# KiCad board uf2-batch-flasher.kicad_pcb (continued)
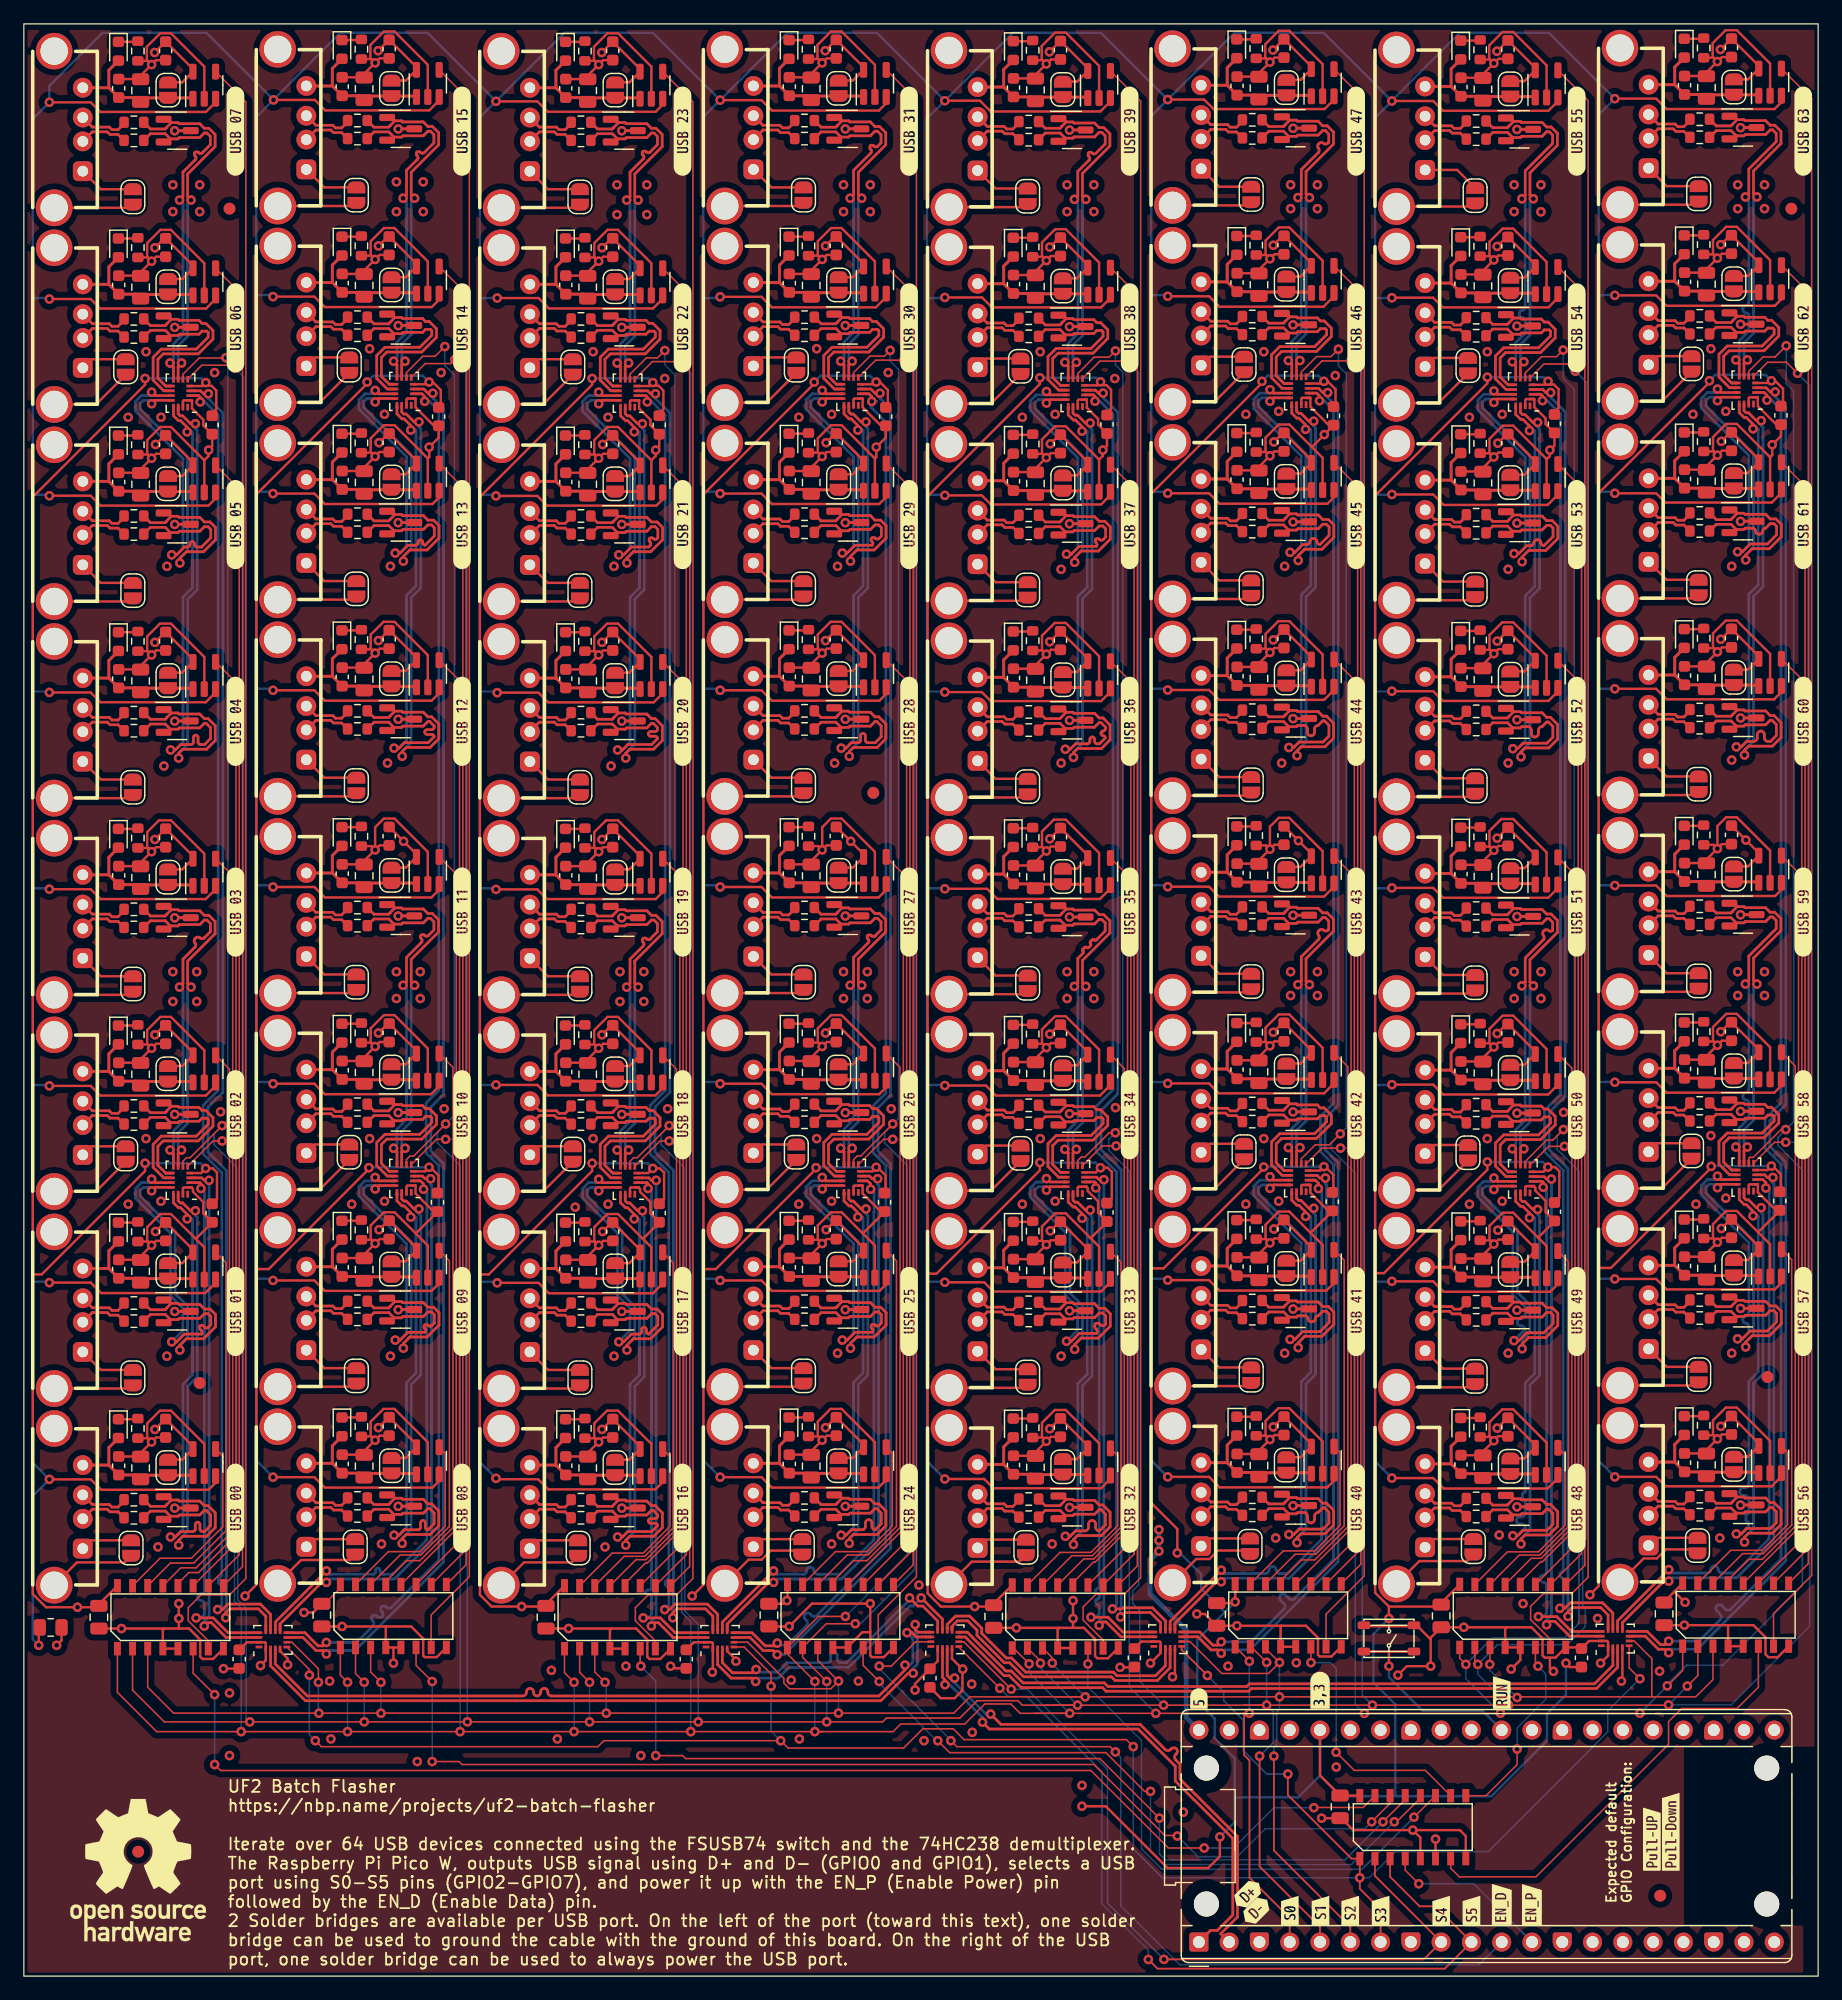
[diagram p0: board, top side]
## Routing (per net, layer and track width the routed paths; a pad name or vN(x,y) marks a point on that pad's centre or on a via; arc(x,y) is an arc through that point) (continued)
/16usb-ports1/D-: length 25.3
  Top w0.23: v1(61.42,25.72) 61.14,25.45 59.43,25.45 58.59,26.29 58.59,27.01 58.59,27.02 U2303.3 ; U102.12 76.65,29.79 75.4,31.04 74.98,31.04 74.3,31.72 v1(74.29,31.72)
  Bottom w0.23: v1(61.42,25.72) 61.64,25.5 63.22,25.5 64.02,26.29 67.4,26.29 arc(67.59,26.37) 67.67,26.57 67.67,26.91 arc(67.76,27.11) 67.95,27.19 arc(68.14,27.11) 68.22,26.91 68.22,26.57 arc(68.31,26.37) 68.5,26.29 69.01,26.29 74.29,31.57 v1(74.29,31.72)
/16usb-ports1/EN_00: length 16.4
  Top w0.125: U3601.4 54.19,43.6 54.19,37.73 51.95,35.49 49.36,35.49 U2301.15
/16usb-ports1/EN_01: length 32.1
  Top w0.125: U2301.14 50.35,35.21 52.07,35.21 54.47,37.61 54.47,59.82 U3401.4
/16usb-ports1/EN_02: length 47.8
  Top w0.125: U3901.4 54.74,76.07 54.74,37.5 52.18,34.94 51.35,34.94 U2301.13
/16usb-ports1/EN_03: length 63.6
  Top w0.125: U4101.4 55.02,92.29 55.02,37.38 52.3,34.66 52.15,34.66 50.43,32.94 U2301.12
/16usb-ports1/EN_04: length 79.7
  Top w0.125: U2301.11 55.29,36.34 55.29,108.52 U2401.4
/16usb-ports1/EN_05: length 95.9
  Top w0.125: U3801.4 55.57,124.73 55.57,35.35 U2301.10
/16usb-ports1/EN_06: length 112.1
  Top w0.125: U2301.9 55.84,34.35 55.84,140.99 U3001.4
/16usb-ports1/EN_07: length 137.4
  Top w0.125: U2301.7 52.97,28.13 51.29,29.81 51.29,30.91 52.36,31.97 54.74,31.97 56.12,33.35 56.12,157.2 U3701.4
/16usb-ports1/EN_10: length 16.4
  Top w0.125: U2302.15 68.08,35.61 70.69,35.61 72.85,37.76 72.85,43.85 U2901.4
/16usb-ports1/EN_11: length 32.1
  Top w0.125: U2302.14 69.07,35.33 70.81,35.33 73.19,37.72 73.19,60 U3301.4
/16usb-ports1/EN_12: length 48
  Top w0.125: U3201.4 73.49,76.22 73.49,37.63 70.72,34.85 69.59,34.85 67.86,33.12 U2302.13
/16usb-ports1/EN_13: length 63.5
  Top w0.125: U2302.12 73.77,37.49 73.77,92.44 U2801.4
/16usb-ports1/EN_14: length 79.7
  Top w0.125: U4301.4 74.04,108.67 74.04,36.49 U2302.11
/16usb-ports1/EN_15: length 95.9
  Top w0.125: U2302.10 74.32,35.5 74.32,124.88 U2601.4
/16usb-ports1/EN_16: length 112.2
  Top w0.125: U2501.4 74.59,141.14 74.59,34.5 U2302.9
/16usb-ports1/EN_17: length 134.7
  Top w0.125: U4201.4 74.87,157.35 74.87,33.5 71.67,30.3 U2302.7
/16usb-ports2/4usb-port0/D0+: length 43.7
  Top w0.23: 87.35,38.63 87.09,38.37 D4902.2 ; 87.35,38.63 87.99,38.63 88.1,38.74 89.81,38.74 90.19,39.12 90.35,39.12 90.72,38.76 90.72,37.85 90.22,37.35 90.2,37.35 arc(89.99,37.44) 89.9,37.65 89.9,37.92 arc(89.81,38.13) 89.6,38.22 arc(89.39,38.13) 89.3,37.92 89.3,37.65 arc(89.21,37.44) 89,37.35 88.22,37.35 87.76,36.89 v1(87.36,36.89) ; 87.35,38.63 86.92,39.06 85.67,39.06 R4903.2 ; v1(88.76,63.57) 88.76,63.96 88.2,64.51 88.02,64.51 87.6,64.93 87.6,65.47 87.6,65.48 U4801.13
  Bottom w0.23: v1(87.36,36.89) 87.76,36.89 88.4,37.53 88.4,49.7 89.2,50.5 89.2,63.53 89.16,63.57 v1(88.76,63.57)
/16usb-ports2/4usb-port0/D0-: length 43.9
  Top w0.23: 87.43,39.99 87.99,39.99 88.08,39.9 89.81,39.9 90.19,39.52 90.51,39.52 91.11,38.92 91.11,37.68 90.38,36.95 88.38,36.95 88.04,36.61 v1(88.04,36.21) ; 87.43,39.99 87.15,40.27 D4902.1 ; 87.43,39.99 87.03,39.59 87.03,39.58 86.91,39.46 85.67,39.46 R4904.2 ; U4801.14 88,65.09 88.18,64.91 88.38,64.91 89.04,64.26 v1(89.44,64.26)
  Bottom w0.23: v1(88.04,36.21) 88.04,36.61 88.8,37.37 88.8,49.53 89.6,50.33 89.6,63.7 89.44,63.85 v1(89.44,64.26)
/16usb-ports2/4usb-port0/D1+: length 30.7
  Top w0.23: R6303.2 85.67,55.56 86.92,55.56 87.35,55.13 ; D6302.2 87.09,54.87 87.35,55.13 ; v1(87.46,53.26) 87.86,53.26 88.51,53.91 89.96,53.91 arc(90.03,54.09) 89.96,54.26 89.88,54.35 arc(89.8,54.53) 89.88,54.7 arc(90.05,54.78) 90.23,54.7 90.32,54.62 arc(90.49,54.55) 90.67,54.62 90.73,54.68 90.73,55.39 90.51,55.62 90.2,55.62 89.82,55.24 88.1,55.24 87.99,55.13 87.35,55.13 ; v1(85.77,66.9) 86.06,66.61 87.43,66.61 U4801.11
  Bottom w0.23: v1(87.46,53.26) 88.39,54.19 88.39,56.09 87.35,57.13 87.35,62.38 84.41,65.32 84.41,66.11 84.92,66.61 85.49,66.61 v1(85.77,66.9)
/16usb-ports2/4usb-port0/D1-: length 31
  Top w0.23: D6302.1 87.15,56.77 87.43,56.49 ; R6304.2 85.67,55.95 86.91,55.95 87.03,56.08 87.03,56.09 87.43,56.49 ; v1(85.77,65.93) 86.06,66.22 87.43,66.22 U4801.12 ; 87.43,56.49 87.99,56.49 88.08,56.4 89.82,56.4 90.2,56.01 90.67,56.01 91.13,55.56 91.13,54.52 90.13,53.52 88.68,53.52 88.14,52.98 v1(88.14,52.57)
  Bottom w0.23: v1(88.14,52.57) 88.14,52.98 88.79,53.63 88.79,56.24 87.74,57.29 87.74,62.55 84.81,65.48 84.81,65.95 85.08,66.22 85.49,66.22 v1(85.77,65.93)
/16usb-ports2/4usb-port0/D2+: length 16.2
  Top w0.23: 87.35,71.65 87.09,71.39 D6002.2 ; 87.35,71.65 86.92,72.09 85.67,72.09 R6003.2 ; 87.35,71.65 87.99,71.65 88.1,71.76 89.74,71.76 90,72.02 90.41,72.02 90.52,71.91 90.52,71.52 89.52,70.51 86.59,70.51 85.9,69.82 85.9,67.91 86.79,67.02 87,67.02 87.01,67.01 U4801.10
/16usb-ports2/4usb-port0/D2-: length 16.5
  Top w0.23: R6004.2 85.67,72.48 86.91,72.48 87.03,72.6 87.03,72.62 87.43,73.01 ; 87.43,73.01 87.99,73.01 88.08,72.92 89.74,72.92 90,72.67 90.31,72.67 90.92,72.07 90.92,71.35 89.68,70.12 86.75,70.12 86.3,69.66 86.3,68.07 86.95,67.41 87,67.41 87.01,67.41 U4801.9 ; 87.43,73.01 87.15,73.29 D6002.1
/16usb-ports2/4usb-port0/D3+: length 29.7
  Top w0.23: U4801.8 87.6,67.99 87.6,69.06 v1(87.32,69.35) ; v1(88.12,83.01) 88.4,83.3 88.4,85.36 88.84,85.79 arc(88.87,85.88) 88.84,85.97 arc(88.8,86.06) 88.84,86.15 88.97,86.28 arc(89.06,86.32) 89.15,86.28 arc(89.24,86.25) 89.33,86.28 89.47,86.42 arc(89.5,86.51) 89.47,86.6 arc(89.43,86.69) 89.47,86.78 89.6,86.91 arc(89.69,86.95) 89.78,86.91 arc(89.87,86.88) 89.96,86.91 90.7,87.66 90.7,88.35 90.41,88.64 90.19,88.64 89.81,88.26 88.1,88.26 87.99,88.15 87.35,88.15 ; 87.35,88.15 87.09,87.89 D6102.2 ; 87.35,88.15 86.92,88.58 85.67,88.58 R6103.2
  Bottom w0.23: v1(87.32,69.35) 87.6,69.63 87.6,70.95 88.4,71.75 88.4,82.73 v1(88.12,83.01)
/16usb-ports2/4usb-port0/D3-: length 29.9
  Top w0.23: R6104.2 85.67,88.97 86.91,88.97 87.03,89.1 87.03,89.11 87.43,89.51 ; v1(89.08,83.01) 88.8,83.3 88.8,85.2 91.1,87.5 91.1,88.51 90.57,89.03 90.19,89.03 89.81,89.42 88.08,89.42 87.99,89.51 87.43,89.51 ; v1(88.28,69.35) 88,69.06 88,67.99 U4801.7 ; 87.43,89.51 87.15,89.79 D6102.1
  Bottom w0.23: v1(88.28,69.35) 88,69.63 88,70.78 88.8,71.58 88.8,82.73 v1(89.08,83.01)
/16usb-ports2/4usb-port0/D+: length 44.5
  Top w0.23: v1(89.51,30.11) 90.94,30.11 92.18,28.86 94.35,28.86 94.36,28.86 U4403.13 ; U4801.2 89.39,66.61 89.39,66.62 89.82,66.62 89.91,66.53 v1(89.91,66.12)
  Bottom w0.23: v1(89.51,30.11) 89.91,30.11 90.2,30.39 90.2,31.04 arc(90.15,31.14) 90.05,31.18 arc(89.95,31.23) 89.91,31.33 89.91,31.49 arc(89.95,31.59) 90.05,31.63 arc(90.15,31.67) 90.2,31.77 90.2,31.93 arc(90.15,32.03) 90.05,32.07 arc(89.95,32.12) 89.91,32.22 89.91,32.38 arc(89.95,32.48) 90.05,32.52 arc(90.15,32.56) 90.2,32.66 90.2,65.84 v1(89.91,66.12)
/16usb-ports2/4usb-port0/D-: length 44.5
  Top w0.23: v1(90.59,66.8) 90.19,66.8 89.98,67.01 89.39,67.01 89.39,67.01 U4801.3 ; v1(90.19,29.42) 90.48,29.71 90.77,29.71 92.02,28.47 94.35,28.47 94.36,28.46 U4403.14
  Bottom w0.23: v1(90.59,66.8) 90.59,30.23 90.19,29.83 v1(90.19,29.42)
/16usb-ports2/4usb-port0/usb-port0/Conn_D+: length 4.1
  Top w0.23: R4903.1 82.96,39 82.27,39 82.06,39.22 80.8,39.22 J4901.3
/16usb-ports2/4usb-port0/usb-port0/Conn_D-: length 4.2
  Top w0.23: J4901.2 80.8,39.62 82.22,39.62 82.44,39.4 82.96,39.4 83.46,39.9 R4904.1
/16usb-ports2/4usb-port0/usb-port1/Conn_D+: length 4.1
  Top w0.23: J6301.3 80.8,55.72 82.06,55.72 82.27,55.5 82.96,55.5 R6303.1
/16usb-ports2/4usb-port0/usb-port1/Conn_D-: length 4.2
  Top w0.23: J6301.2 80.8,56.11 82.22,56.11 82.44,55.89 82.96,55.89 83.46,56.4 R6304.1
/16usb-ports2/4usb-port0/usb-port2/Conn_D+: length 4.1
  Top w0.23: J6001.3 80.8,72.24 82.06,72.24 82.27,72.03 82.96,72.03 R6003.1
/16usb-ports2/4usb-port0/usb-port2/Conn_D-: length 4.2
  Top w0.23: R6004.1 83.46,72.93 82.96,72.42 82.44,72.42 82.22,72.64 80.8,72.64 J6001.2
/16usb-ports2/4usb-port0/usb-port3/Conn_D+: length 4.1
  Top w0.23: J6101.3 80.8,88.74 82.06,88.74 82.27,88.52 82.96,88.52 R6103.1
/16usb-ports2/4usb-port0/usb-port3/Conn_D-: length 4.2
  Top w0.23: J6101.2 80.8,89.13 82.22,89.13 82.44,88.91 82.96,88.91 83.46,89.42 R6104.1
/16usb-ports2/4usb-port1/D0+: length 43.7
  Top w0.23: 87.35,104.65 87.09,104.39 D5102.2 ; 87.35,104.65 86.92,105.08 85.67,105.08 R5103.2 ; 87.35,104.65 87.99,104.65 88.1,104.76 89.81,104.76 90.19,105.14 90.35,105.14 90.72,104.77 90.72,104.62 arc(90.66,104.49) 90.53,104.44 arc(90.4,104.38) 90.35,104.26 90.35,104.23 arc(90.4,104.1) 90.53,104.04 arc(90.66,103.99) 90.72,103.86 90.22,103.36 90.01,103.36 arc(89.87,103.42) 89.81,103.56 89.81,103.74 arc(89.75,103.88) 89.61,103.94 arc(89.48,103.88) 89.42,103.74 89.42,103.56 arc(89.36,103.42) 89.22,103.36 88.22,103.36 87.76,102.91 v1(87.36,102.91) ; U5901.13 87.6,131.49 87.6,131.49 87.6,130.94 88.02,130.53 88.2,130.53 88.76,129.97 v1(88.76,129.59)
  Bottom w0.23: v1(87.36,102.91) 87.76,102.91 88.4,103.55 88.4,115.71 89.2,116.51 89.2,129.55 89.16,129.59 v1(88.76,129.59)
/16usb-ports2/4usb-port1/D0-: length 43.9
  Top w0.23: D5102.1 87.15,106.29 87.43,106.01 ; 87.43,106.01 87.99,106.01 88.08,105.92 89.81,105.92 90.19,105.53 90.51,105.53 91.11,104.93 91.11,103.7 90.38,102.97 88.38,102.97 88.04,102.63 v1(88.04,102.22) ; 87.43,106.01 87.03,105.61 87.03,105.6 86.91,105.47 85.67,105.47 R5104.2 ; U5901.14 88,131.11 88.18,130.93 88.38,130.93 89.04,130.27 v1(89.44,130.27)
  Bottom w0.23: v1(88.04,102.22) 88.04,102.63 88.8,103.38 88.8,115.55 89.6,116.35 89.6,129.71 89.44,129.87 v1(89.44,130.27)
/16usb-ports2/4usb-port1/D1+: length 30.7
  Top w0.23: 87.35,121.14 86.92,121.57 85.67,121.57 R5503.2 ; 87.35,121.14 87.09,120.88 D5502.2 ; 87.35,121.14 87.99,121.14 88.1,121.25 89.82,121.25 90.2,121.63 90.51,121.63 90.73,121.41 90.73,120.7 90.52,120.48 arc(90.38,120.43) 90.24,120.48 90.2,120.53 arc(90.06,120.58) 89.92,120.53 arc(89.86,120.39) 89.92,120.25 89.96,120.2 arc(90.02,120.06) 89.96,119.93 88.51,119.93 87.86,119.27 v1(87.46,119.27) ; U5901.11 87.43,132.63 86.06,132.63 v1(85.77,132.91)
  Bottom w0.23: v1(85.77,132.91) 85.49,132.63 84.92,132.63 84.41,132.12 84.41,131.33 88.4,127.35 88.4,119.81 87.86,119.27 v1(87.46,119.27)
/16usb-ports2/4usb-port1/D1-: length 31
  Top w0.23: v1(88.14,118.59) 88.14,118.99 88.68,119.53 90.13,119.53 91.13,120.53 91.13,121.57 90.67,122.03 90.2,122.03 89.82,122.41 88.08,122.41 87.99,122.5 87.43,122.5 ; 87.43,122.5 87.15,122.78 D5502.1 ; 87.43,122.5 87.03,122.1 87.03,122.09 86.91,121.97 85.67,121.97 R5504.2 ; U5901.12 87.43,132.23 86.06,132.23 v1(85.77,131.95)
  Bottom w0.23: v1(85.77,131.95) 85.49,132.23 85.08,132.23 84.81,131.96 84.81,131.5 88.79,127.51 88.79,119.64 88.14,118.99 v1(88.14,118.59)
/16usb-ports2/4usb-port1/D2+: length 16.2
  Top w0.23: 87.35,137.67 86.92,138.1 85.67,138.1 R5603.2 ; 87.35,137.67 87.09,137.41 D5602.2 ; 87.35,137.67 87.99,137.67 88.1,137.78 89.74,137.78 90,138.03 90.41,138.03 90.52,137.92 90.52,137.53 89.52,136.53 86.59,136.53 85.9,135.84 85.9,133.92 86.79,133.03 87,133.03 87.01,133.03 U5901.10
/16usb-ports2/4usb-port1/D2-: length 16.5
  Top w0.23: U5901.9 87.01,133.43 87,133.43 86.95,133.43 86.3,134.08 86.3,135.68 86.75,136.13 89.68,136.13 90.92,137.37 90.92,138.08 90.31,138.69 90,138.69 89.74,138.94 88.08,138.94 87.99,139.03 87.43,139.03 ; 87.43,139.03 87.15,139.31 D5602.1 ; 87.43,139.03 87.03,138.63 87.03,138.62 86.91,138.5 85.67,138.5 R5604.2
/16usb-ports2/4usb-port1/D3+: length 29.7
  Top w0.23: U5901.8 87.6,134 87.6,135.08 v1(87.32,135.36) ; D6402.2 87.09,153.9 87.35,154.16 ; v1(88.12,149.03) 88.4,149.31 88.4,151.37 89.36,152.33 arc(89.41,152.47) 89.36,152.61 89.31,152.65 arc(89.26,152.79) 89.31,152.93 arc(89.45,152.99) 89.59,152.93 89.63,152.89 arc(89.77,152.83) 89.91,152.89 90.7,153.67 90.7,154.36 90.41,154.65 90.19,154.65 89.81,154.27 88.1,154.27 87.99,154.16 87.35,154.16 ; R6403.2 85.67,154.59 86.92,154.59 87.35,154.16
  Bottom w0.23: v1(88.12,149.03) 88.4,148.74 88.4,137.76 87.6,136.96 87.6,135.65 v1(87.32,135.36)
/16usb-ports2/4usb-port1/D3-: length 29.9
  Top w0.23: 87.43,155.52 87.15,155.8 D6402.1 ; 87.43,155.52 87.99,155.52 88.08,155.43 89.81,155.43 90.19,155.05 90.57,155.05 91.1,154.53 91.1,153.51 88.8,151.21 88.8,149.31 v1(89.08,149.03) ; 87.43,155.52 87.03,155.12 87.03,155.11 86.91,154.99 85.67,154.99 R6404.2 ; v1(88.28,135.36) 88,135.08 88,134 U5901.7
  Bottom w0.23: v1(89.08,149.03) 88.8,148.74 88.8,137.6 88,136.8 88,135.65 v1(88.28,135.36)
/16usb-ports2/4usb-port1/D+: length 110.6
  Top w0.23: U4403.11 95.75,29.81 94.66,30.9 92.2,30.9 92.11,30.81 v1(91.31,30.81) ; v1(89.85,132.1) 89.85,132.5 89.72,132.63 89.39,132.63 89.39,132.63 U5901.2
  Bottom w0.23: v1(91.31,30.81) 91.65,31.15 91.65,67.46 89.95,69.16 89.95,72.95 91.35,74.35 91.35,131 90.25,132.1 v1(89.85,132.1)
/16usb-ports2/4usb-port1/D-: length 110.6
  Top w0.23: v1(90.53,132.78) 90.13,132.78 89.88,133.03 89.39,133.03 89.39,133.03 U5901.3 ; v1(91.99,30.12) 92.37,30.5 94.5,30.5 95.35,29.65 U4403.12
  Bottom w0.23: v1(90.53,132.78) 90.53,132.38 91.75,131.16 91.75,74 90.34,72.59 90.34,69.33 92.04,67.63 92.04,30.98 91.99,30.93 v1(91.99,30.12)
/16usb-ports2/4usb-port1/usb-port0/Conn_D+: length 4.1
  Top w0.23: J5101.3 80.8,105.24 82.06,105.24 82.27,105.02 82.96,105.02 R5103.1
/16usb-ports2/4usb-port1/usb-port0/Conn_D-: length 4.2
  Top w0.23: R5104.1 83.46,105.92 82.96,105.41 82.44,105.41 82.22,105.63 80.8,105.63 J5101.2
/16usb-ports2/4usb-port1/usb-port1/Conn_D+: length 4.1
  Top w0.23: J5501.3 80.8,121.73 82.06,121.73 82.27,121.51 82.96,121.51 R5503.1
/16usb-ports2/4usb-port1/usb-port1/Conn_D-: length 4.2
  Top w0.23: J5501.2 80.8,122.13 82.22,122.13 82.44,121.91 82.96,121.91 83.46,122.41 R5504.1
/16usb-ports2/4usb-port1/usb-port2/Conn_D+: length 4.1
  Top w0.23: J5601.3 80.8,138.26 82.06,138.26 82.27,138.04 82.96,138.04 R5603.1
/16usb-ports2/4usb-port1/usb-port2/Conn_D-: length 4.2
  Top w0.23: J5601.2 80.8,138.65 82.22,138.65 82.44,138.44 82.96,138.44 83.46,138.94 R5604.1
/16usb-ports2/4usb-port1/usb-port3/Conn_D+: length 4.1
  Top w0.23: R6403.1 82.96,154.53 82.27,154.53 82.06,154.75 80.8,154.75 J6401.3
/16usb-ports2/4usb-port1/usb-port3/Conn_D-: length 4.2
  Top w0.23: R6404.1 83.46,155.43 82.96,154.93 82.44,154.93 82.22,155.15 80.8,155.15 J6401.2
/16usb-ports2/4usb-port2/D0+: length 43.7
  Top w0.23: 106.1,38.78 105.67,39.21 104.42,39.21 R5403.2 ; 106.1,38.78 106.74,38.78 106.85,38.89 107.36,38.89 arc(107.57,38.8) 107.66,38.59 107.66,38.32 arc(107.75,38.11) 107.96,38.02 arc(108.17,38.11) 108.26,38.32 108.26,38.59 arc(108.35,38.8) 108.56,38.89 108.94,39.27 109.1,39.27 109.47,38.91 109.47,38 108.97,37.5 106.97,37.5 106.51,37.04 v1(106.11,37.04) ; 106.1,38.78 105.84,38.52 D5402.2 ; U5201.13 106.35,65.63 106.35,65.62 106.35,65.08 106.77,64.66 106.95,64.66 107.51,64.11 v1(107.51,63.72)
  Bottom w0.23: v1(107.51,63.72) 107.91,63.72 107.95,63.68 107.95,50.65 107.15,49.85 107.15,37.68 106.51,37.04 v1(106.11,37.04)
/16usb-ports2/4usb-port2/D0-: length 43.9
  Top w0.23: 106.18,40.14 105.78,39.74 105.78,39.73 105.66,39.61 104.42,39.61 R5404.2 ; 106.18,40.14 105.9,40.42 D5402.1 ; 106.18,40.14 106.74,40.14 106.83,40.05 108.56,40.05 108.94,39.67 109.26,39.67 109.86,39.07 109.86,37.83 109.13,37.1 107.13,37.1 106.79,36.76 v1(106.79,36.36) ; v1(108.19,64.41) 107.79,64.41 107.13,65.06 106.93,65.06 106.75,65.24 U5201.14
  Bottom w0.23: v1(106.79,36.36) 106.79,36.76 107.55,37.52 107.55,49.68 108.35,50.48 108.35,63.85 108.19,64 v1(108.19,64.41)
/16usb-ports2/4usb-port2/D1+: length 30.7
  Top w0.23: 106.1,55.28 105.67,55.71 104.42,55.71 R4603.2 ; 106.1,55.28 106.74,55.28 106.85,55.39 107.47,55.39 arc(107.64,55.31) 107.72,55.14 arc(107.79,54.96) 107.97,54.89 108.07,54.89 arc(108.24,54.96) 108.32,55.14 arc(108.39,55.31) 108.57,55.39 108.95,55.77 109.26,55.77 109.48,55.54 109.48,54.83 108.71,54.06 107.26,54.06 106.61,53.41 v1(106.21,53.41) ; 106.1,55.28 105.84,55.02 D4602.2 ; v1(104.52,67.05) 104.81,66.76 106.18,66.76 U5201.11
  Bottom w0.23: v1(106.21,53.41) 106.61,53.41 107.15,53.94 107.15,61.48 103.16,65.47 103.16,66.26 103.67,66.76 104.24,66.76 v1(104.52,67.05)
/16usb-ports2/4usb-port2/D1-: length 31
  Top w0.23: 106.18,56.64 105.78,56.24 105.78,56.23 105.66,56.1 104.42,56.1 R4604.2 ; 106.18,56.64 106.74,56.64 106.83,56.55 108.57,56.55 108.95,56.16 109.42,56.16 109.88,55.71 109.88,54.67 108.88,53.67 107.43,53.67 106.89,53.13 v1(106.89,52.72) ; 106.18,56.64 105.9,56.92 D4602.1 ; U5201.12 106.18,66.37 104.81,66.37 v1(104.52,66.08)
  Bottom w0.23: v1(106.89,52.72) 106.89,53.13 107.54,53.78 107.54,61.65 103.56,65.63 103.56,66.1 103.83,66.37 104.24,66.37 v1(104.52,66.08)
/16usb-ports2/4usb-port2/D2+: length 16.2
  Top w0.23: R4503.2 104.42,72.24 105.67,72.24 106.1,71.8 ; 106.1,71.8 105.84,71.54 D4502.2 ; 106.1,71.8 106.74,71.8 106.85,71.91 108.49,71.91 108.75,72.17 109.16,72.17 109.27,72.06 109.27,71.67 108.27,70.66 105.34,70.66 104.65,69.97 104.65,68.06 105.54,67.17 105.75,67.17 105.76,67.16 U5201.10
/16usb-ports2/4usb-port2/D2-: length 16.5
  Top w0.23: 106.18,73.16 106.74,73.16 106.83,73.07 108.49,73.07 108.75,72.82 109.06,72.82 109.67,72.22 109.67,71.5 108.43,70.27 105.5,70.27 105.05,69.81 105.05,68.22 105.7,67.56 105.75,67.56 105.76,67.56 U5201.9 ; 106.18,73.16 105.9,73.44 D4502.1 ; 106.18,73.16 105.78,72.77 105.78,72.75 105.66,72.63 104.42,72.63 R4504.2
/16usb-ports2/4usb-port2/D3+: length 29.7
  Top w0.23: v1(106.07,69.5) 106.35,69.21 106.35,68.14 U5201.8 ; 106.1,88.3 105.67,88.73 104.42,88.73 R5303.2 ; 106.1,88.3 105.84,88.04 D5302.2 ; 106.1,88.3 106.74,88.3 106.85,88.41 108.56,88.41 108.94,88.79 109.16,88.79 109.45,88.5 109.45,87.81 109.37,87.73 arc(109.2,87.66) 109.02,87.73 arc(108.84,87.8) 108.67,87.73 108.6,87.66 arc(108.52,87.48) 108.6,87.31 arc(108.67,87.13) 108.6,86.95 107.15,85.51 107.15,83.45 v1(106.87,83.16)
  Bottom w0.23: v1(106.07,69.5) 106.35,69.78 106.35,71.1 107.15,71.9 107.15,82.88 v1(106.87,83.16)
/16usb-ports2/4usb-port2/D3-: length 29.9
  Top w0.23: R5304.2 104.42,89.12 105.66,89.12 105.78,89.25 105.78,89.26 106.18,89.66 ; 106.18,89.66 105.9,89.94 D5302.1 ; 106.18,89.66 106.74,89.66 106.83,89.57 108.56,89.57 108.94,89.18 109.32,89.18 109.85,88.66 109.85,87.65 107.55,85.35 107.55,83.45 v1(107.83,83.16) ; U5201.7 106.75,68.14 106.75,69.21 v1(107.03,69.5)
  Bottom w0.23: v1(107.03,69.5) 106.75,69.78 106.75,70.93 107.55,71.73 107.55,82.88 v1(107.83,83.16)
/16usb-ports2/4usb-port2/D+: length 48.2
  Top w0.23: U5201.2 108.14,66.76 108.14,66.77 108.32,66.77 108.58,66.5 v1(108.58,66.06) ; v1(100.44,34.05) 96.15,29.76 96.15,29.46 96.15,29.45 U4403.10
  Bottom w0.23: v1(100.44,34.05) 100.72,33.76 104.14,33.76 arc(104.35,33.85) 104.44,34.06 104.44,34.07 arc(104.53,34.28) 104.74,34.37 arc(104.95,34.28) 105.04,34.07 105.04,34.06 arc(105.13,33.85) 105.34,33.76 105.97,33.76 108.85,36.65 108.85,64.1 108.87,64.12 108.87,65.77 v1(108.58,66.06)
/16usb-ports2/4usb-port2/D-: length 48.2
  Top w0.23: v1(109.17,66.94) 108.71,66.94 108.49,67.16 108.14,67.16 108.14,67.16 U5201.3 ; U4403.9 96.55,29.45 96.55,29.46 96.55,29.6 100.03,33.08 v1(100.44,33.08)
  Bottom w0.23: v1(100.44,33.08) 100.72,33.37 106.13,33.37 109.25,36.48 109.25,63.94 109.26,63.96 109.26,66.38 109.17,66.48 v1(109.17,66.94)
/16usb-ports2/4usb-port2/usb-port0/Conn_D+: length 4.1
  Top w0.23: R5403.1 101.71,39.15 101.02,39.15 100.81,39.37 99.55,39.37 J5401.3
/16usb-ports2/4usb-port2/usb-port0/Conn_D-: length 4.2
  Top w0.23: R5404.1 102.21,40.05 101.71,39.55 101.19,39.55 100.97,39.77 99.55,39.77 J5401.2
/16usb-ports2/4usb-port2/usb-port1/Conn_D+: length 4.1
  Top w0.23: J4601.3 99.55,55.87 100.81,55.87 101.02,55.65 101.71,55.65 R4603.1
/16usb-ports2/4usb-port2/usb-port1/Conn_D-: length 4.2
  Top w0.23: R4604.1 102.21,56.55 101.71,56.04 101.19,56.04 100.97,56.26 99.55,56.26 J4601.2
/16usb-ports2/4usb-port2/usb-port2/Conn_D+: length 4.1
  Top w0.23: J4501.3 99.55,72.39 100.81,72.39 101.02,72.18 101.71,72.18 R4503.1
/16usb-ports2/4usb-port2/usb-port2/Conn_D-: length 4.2
  Top w0.23: R4504.1 102.21,73.08 101.71,72.57 101.19,72.57 100.97,72.79 99.55,72.79 J4501.2
/16usb-ports2/4usb-port2/usb-port3/Conn_D+: length 4.1
  Top w0.23: J5301.3 99.55,88.89 100.81,88.89 101.02,88.67 101.71,88.67 R5303.1
/16usb-ports2/4usb-port2/usb-port3/Conn_D-: length 4.2
  Top w0.23: R5304.1 102.21,89.57 101.71,89.06 101.19,89.06 100.97,89.28 99.55,89.28 J5301.2
/16usb-ports2/4usb-port3/D0+: length 43.7
  Top w0.23: R5703.2 104.42,105.23 105.67,105.23 106.1,104.8 ; v1(107.51,129.74) 107.51,130.12 106.95,130.68 106.77,130.68 106.35,131.09 106.35,131.64 106.35,131.64 U5001.13 ; 106.1,104.8 105.84,104.54 D5702.2 ; 106.1,104.8 106.74,104.8 106.85,104.91 107.36,104.91 arc(107.57,104.82) 107.66,104.61 107.66,104.33 arc(107.75,104.12) 107.96,104.03 arc(108.17,104.12) 108.26,104.33 108.26,104.61 arc(108.35,104.82) 108.56,104.91 108.94,105.29 109.1,105.29 109.47,104.92 109.47,104.01 108.97,103.51 106.97,103.51 106.51,103.06 v1(106.11,103.06)
  Bottom w0.23: v1(107.51,129.74) 107.91,129.74 107.95,129.7 107.95,116.66 107.15,115.86 107.15,103.7 106.51,103.06 v1(106.11,103.06)
/16usb-ports2/4usb-port3/D0-: length 43.9
  Top w0.23: R5704.2 104.42,105.62 105.66,105.62 105.78,105.75 105.78,105.76 106.18,106.16 ; U5001.14 106.75,131.26 106.93,131.08 107.13,131.08 107.79,130.42 v1(108.19,130.42) ; 106.18,106.16 105.9,106.44 D5702.1 ; 106.18,106.16 106.74,106.16 106.83,106.07 108.56,106.07 108.94,105.68 109.26,105.68 109.86,105.08 109.86,103.85 109.13,103.12 107.13,103.12 106.79,102.78 v1(106.79,102.37)
  Bottom w0.23: v1(106.79,102.37) 106.79,102.78 107.55,103.53 107.55,115.7 108.35,116.5 108.35,129.86 108.19,130.02 v1(108.19,130.42)
/16usb-ports2/4usb-port3/D1+: length 30.7
  Top w0.23: v1(106.21,119.42) 106.61,119.42 107.26,120.08 107.61,120.08 arc(107.79,120.15) 107.86,120.32 arc(107.94,120.5) 108.11,120.57 108.21,120.57 arc(108.39,120.5) 108.46,120.32 arc(108.54,120.15) 108.71,120.08 109.48,120.85 109.48,121.56 109.26,121.78 108.95,121.78 108.57,121.4 106.85,121.4 106.74,121.29 106.1,121.29 ; D4702.2 105.84,121.03 106.1,121.29 ; 106.1,121.29 105.67,121.72 104.42,121.72 R4703.2 ; v1(104.52,133.06) 104.81,132.78 106.18,132.78 U5001.11
  Bottom w0.23: v1(106.21,119.42) 106.61,119.42 107.15,119.96 107.15,127.5 103.16,131.48 103.16,132.27 103.67,132.78 104.24,132.78 v1(104.52,133.06)
/16usb-ports2/4usb-port3/D1-: length 31
  Top w0.23: 106.18,122.65 105.78,122.25 105.78,122.24 105.66,122.12 104.42,122.12 R4704.2 ; 106.18,122.65 106.74,122.65 106.83,122.56 108.57,122.56 108.95,122.18 109.42,122.18 109.88,121.72 109.88,120.68 108.88,119.68 107.43,119.68 106.89,119.14 v1(106.89,118.74) ; 106.18,122.65 105.9,122.93 D4702.1 ; v1(104.52,132.1) 104.81,132.38 106.18,132.38 U5001.12
  Bottom w0.23: v1(106.89,118.74) 106.89,119.14 107.54,119.79 107.54,127.66 103.56,131.65 103.56,132.11 103.83,132.38 104.24,132.38 v1(104.52,132.1)
/16usb-ports2/4usb-port3/D2+: length 16.2
  Top w0.23: R5803.2 104.42,138.25 105.67,138.25 106.1,137.82 ; U5001.10 105.76,133.18 105.75,133.18 105.54,133.18 104.65,134.07 104.65,135.99 105.34,136.68 108.27,136.68 109.27,137.68 109.27,138.07 109.16,138.18 108.75,138.18 108.49,137.93 106.85,137.93 106.74,137.82 106.1,137.82 ; 106.1,137.82 105.84,137.56 D5802.2
/16usb-ports2/4usb-port3/D2-: length 16.5
  Top w0.23: 106.18,139.18 106.74,139.18 106.83,139.09 108.49,139.09 108.75,138.84 109.06,138.84 109.67,138.23 109.67,137.52 108.43,136.28 105.5,136.28 105.05,135.83 105.05,134.23 105.7,133.58 105.75,133.58 105.76,133.58 U5001.9 ; 106.18,139.18 105.78,138.78 105.78,138.77 105.66,138.65 104.42,138.65 R5804.2 ; 106.18,139.18 105.9,139.46 D5802.1
/16usb-ports2/4usb-port3/D3+: length 29.7
  Top w0.23: U5001.8 106.35,134.15 106.35,135.23 v1(106.07,135.51) ; v1(106.87,149.18) 107.15,149.46 107.15,151.52 108.58,152.96 arc(108.66,153.13) 108.58,153.31 arc(108.51,153.48) 108.58,153.66 108.66,153.73 arc(108.83,153.81) 109.01,153.73 arc(109.18,153.66) 109.36,153.73 109.45,153.82 109.45,154.51 109.16,154.8 108.94,154.8 108.56,154.42 106.85,154.42 106.74,154.31 106.1,154.31 ; 106.1,154.31 105.67,154.74 104.42,154.74 R6203.2 ; 106.1,154.31 105.84,154.05 D6202.2
  Bottom w0.23: v1(106.87,149.18) 107.15,148.89 107.15,137.91 106.35,137.11 106.35,135.8 v1(106.07,135.51)
/16usb-ports2/4usb-port3/D3-: length 29.9
  Top w0.23: v1(107.83,149.18) 107.55,149.46 107.55,151.36 109.85,153.66 109.85,154.68 109.32,155.2 108.94,155.2 108.56,155.58 106.83,155.58 106.74,155.67 106.18,155.67 ; R6204.2 104.42,155.14 105.66,155.14 105.78,155.26 105.78,155.27 106.18,155.67 ; 106.18,155.67 105.9,155.95 D6202.1 ; v1(107.03,135.51) 106.75,135.23 106.75,134.15 U5001.7
  Bottom w0.23: v1(107.83,149.18) 107.55,148.89 107.55,137.75 106.75,136.95 106.75,135.8 v1(107.03,135.51)
/16usb-ports2/4usb-port3/D+: length 118
  Top w0.23: U5001.2 108.14,132.78 108.14,132.78 108.44,132.78 108.68,132.54 v1(108.68,132.14) ; v1(100.43,28.05) 100.15,27.76 99.73,27.76 98.63,28.86 97.54,28.86 97.54,28.86 U4403.8
  Bottom w0.23: v1(100.43,28.05) 102.95,28.05 105.71,30.81 arc(105.8,31.02) 105.71,31.23 105.41,31.53 arc(105.32,31.74) 105.41,31.96 arc(105.62,32.04) 105.83,31.96 106.13,31.65 arc(106.34,31.56) 106.55,31.65 109.85,34.95 109.85,68.05 108.75,69.16 108.75,72.11 109.85,73.21 109.85,131.37 109.08,132.14 v1(108.68,132.14)